# Altium PCB StepTMC5160.PcbDoc (part 3 of 3)
Units mm, origin at the board's own origin, x right, y up, seen from the top; angles counter-clockwise.
Board outline 116.59 x 111.76 mm, 4 copper layers (Component Side, GND, VCC, Bottom Layer), stack 0.778 mm thick; 199 components, 142 nets, 717 pads, 598 vias.
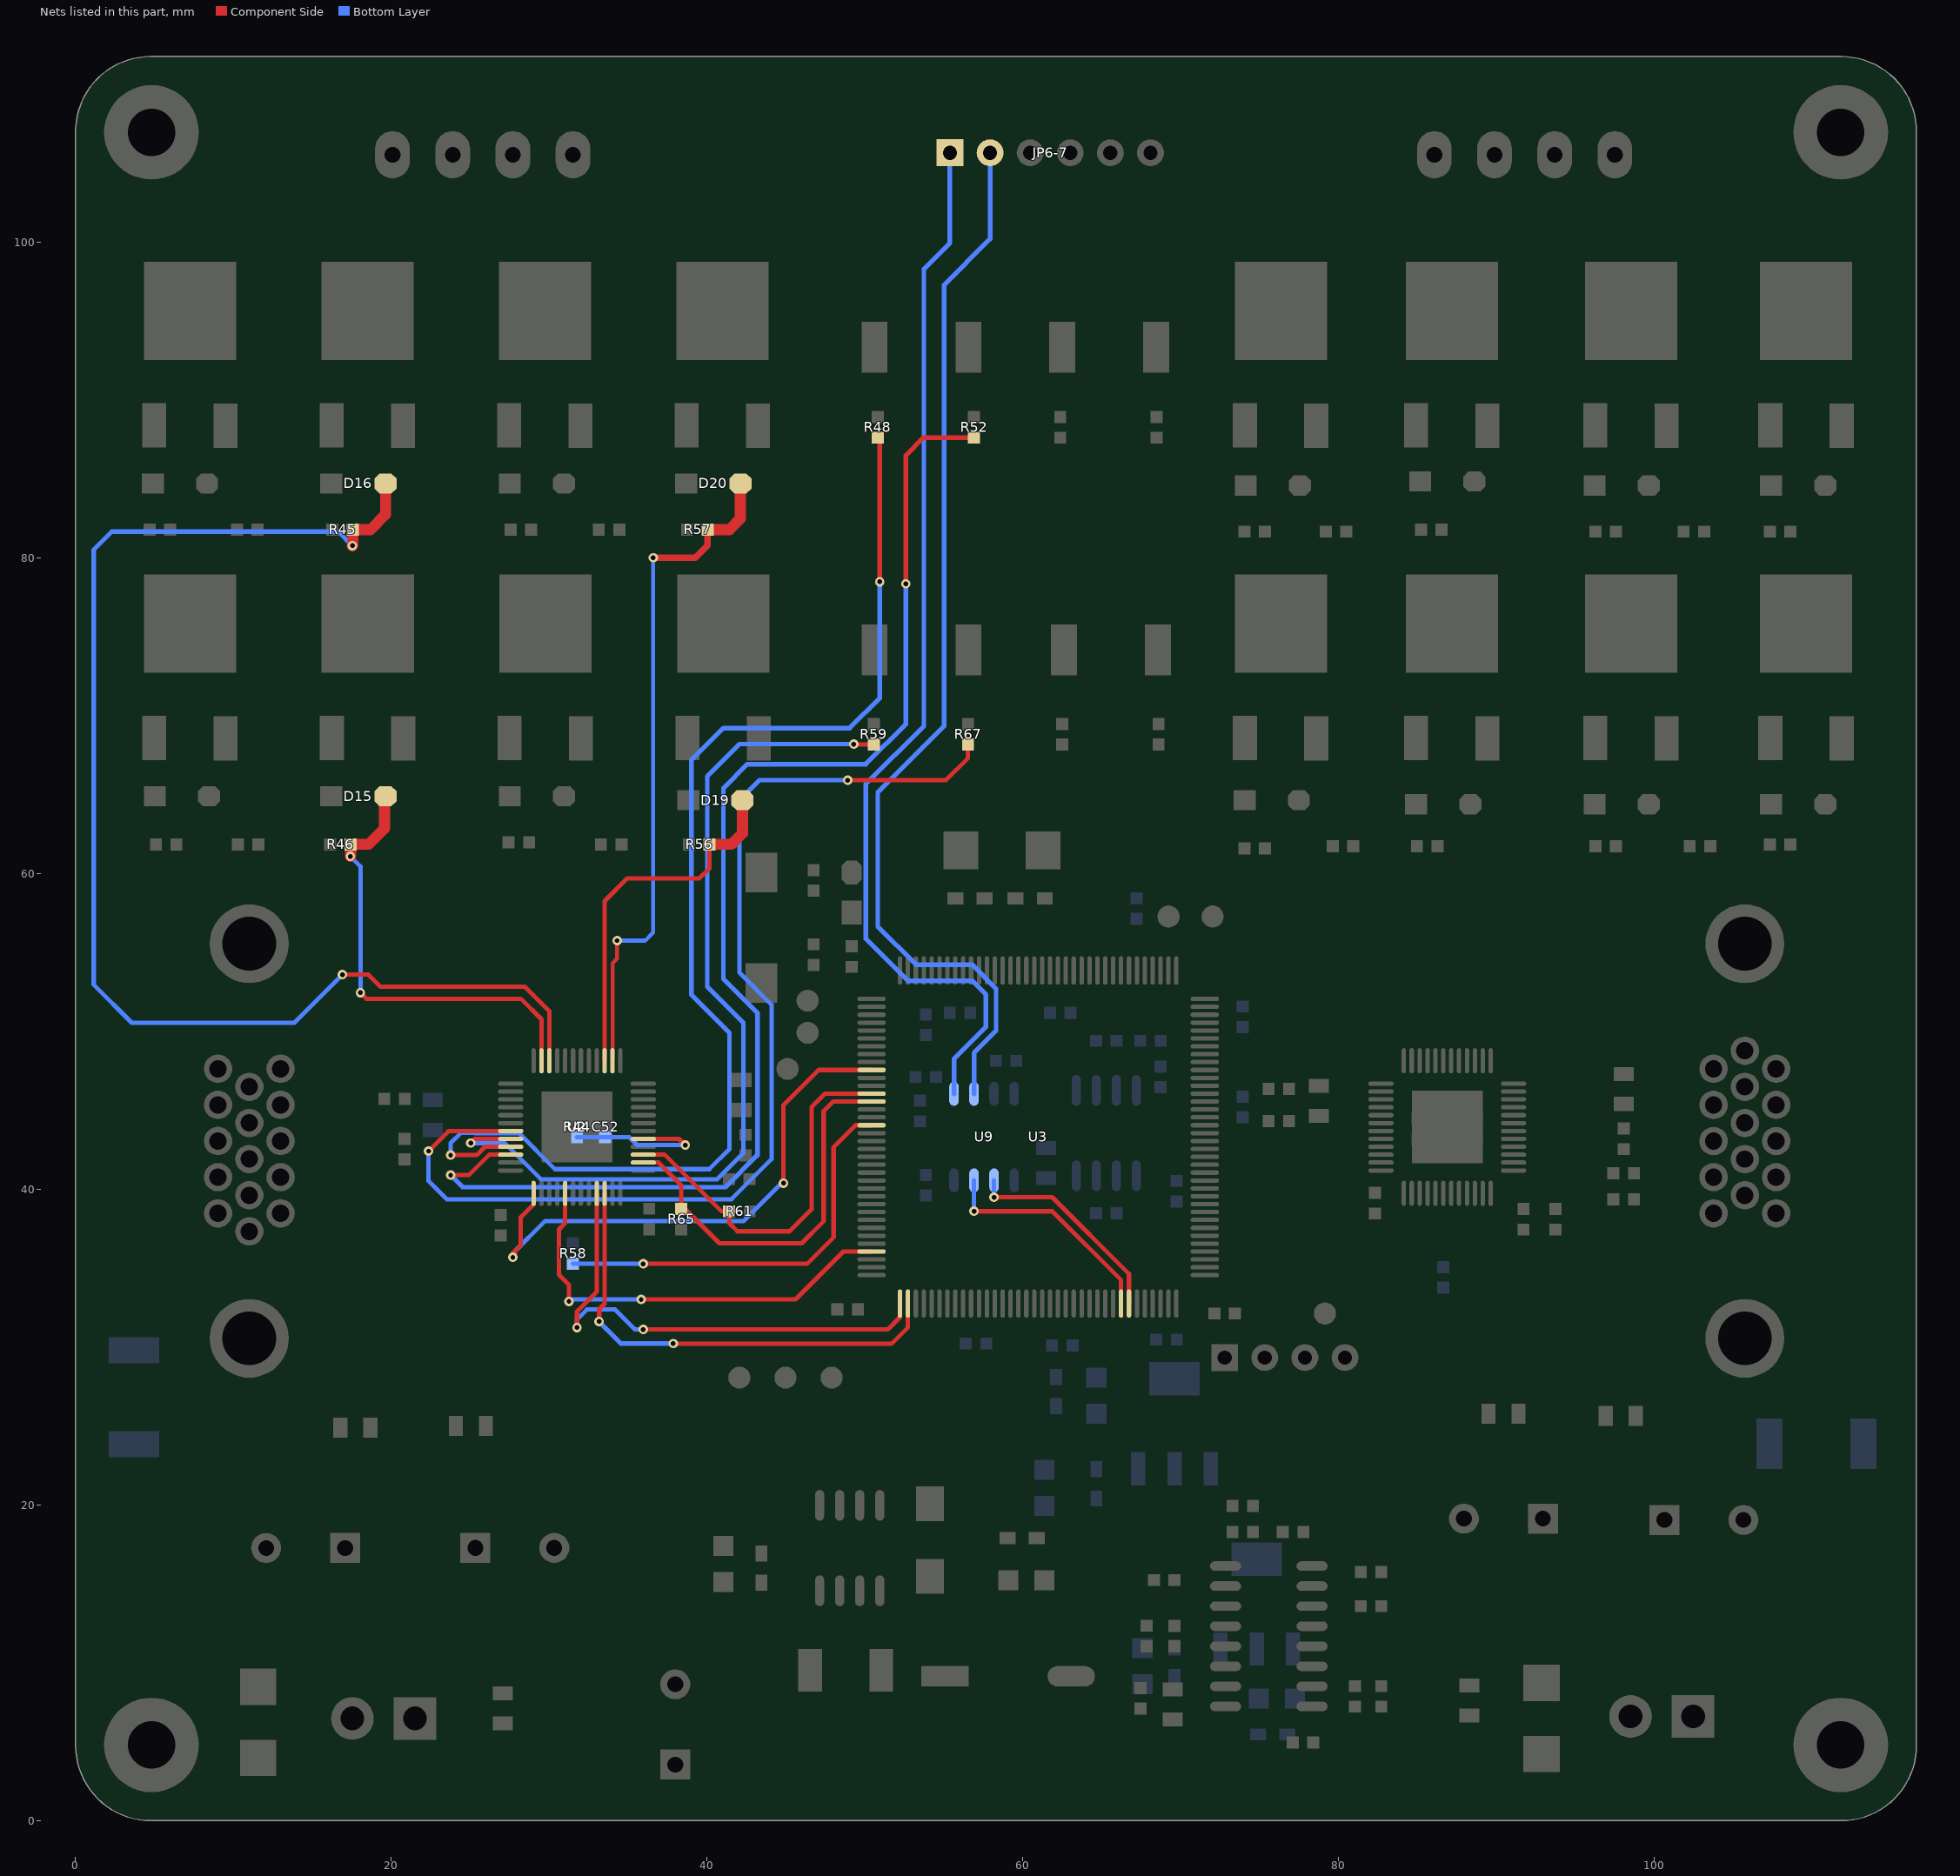
[diagram p5: the nets of this part, all layers, seen from the top]

## Via types
v1: diameter 0.6, hole 0.3, Component Side to Bottom Layer, 288 vias
v2: diameter 0.8, hole 0.4, Component Side to Bottom Layer, 278 vias
v3: diameter 0.5, hole 0.5, Component Side to Bottom Layer, tented both sides, 32 vias

## Nets (pads, with @x,y where several pads share a name; then routed paths per layer and width w, separated by ;. In a path a pad name is that pad's centre, name@x,y a point inside that pad or via, vN(x,y) a via of type N, cw(c..) or ccw(c..) an arc to the next point about the centre after c; other vN are vias at no path point) (continued)
U2_LA1: D19.2 R56.1 U2.39 | length 23.6
  Component Side w0.279: U2.39@33.5,48.141 33.5,58.265 34.925,59.69 39.497,59.69 40.147,60.34 R56.1@40.147,61.849
  Component Side w0.7: R56.1@40.147,61.849 41.529,61.849 42.227,62.547 D19.2@42.227,64.643
U2_LA2: D20.2 R57.1 U2.38 | length 43.3
  Component Side w0.257: U2.38@34,48.141 34,54.32 34.29,54.61 v1(34.29,55.753)
  Component Side w0.4: v1(36.576,80.01) 39.243,80.01 40.02,80.787 R57.1@40.02,81.788
  Component Side w0.7: R57.1@40.02,81.788 41.402,81.788 42.1,82.486 D20.2@42.1,84.709
  Bottom Layer w0.257: v1(34.29,55.753) 36.068,55.753 36.576,56.261 v1(36.576,80.01)
U2_LB1: D15.2 R46.1 U2.47 | length 29.2
  Component Side w0.279: v1@17.907,52.451 v1(18.034,52.451) 18.415,52.07 28.194,52.07 29.5,50.764 U2.47@29.5,48.141
  Component Side w0.7: v1(17.399,61.087) 17.414,61.102 R46.1@17.414,61.849 18.542,61.849 19.558,62.865 19.558,64.834 D15.2@19.621,64.897
  Bottom Layer w0.279: v1(17.399,61.087) 18.034,60.452 v1(18.034,52.451)
U2_LB2: D16.2 R45.1 U2.46 | length 85.5
  Component Side w0.279: v1(16.891,53.594) 18.542,53.594 19.304,52.832 28.448,52.832 30,51.28 U2.46@30,48.141
  Component Side w0.7: v1(17.526,80.772) 17.556,80.802 R45.1@17.556,81.788 18.669,81.788 19.621,82.74 D16.2@19.621,84.709
  Bottom Layer w0.279: v1(16.891,53.594) 13.843,50.546 3.556,50.546 1.143,52.959 1.143,80.518 2.286,81.661 16.637,81.661 v1(17.526,80.772)
U2_REFL_DIR: R58.2 U3.53 | length 25.9
  Component Side w0.279: v1(35.941,35.276) 46.325,35.276 48.006,36.957 48.006,42.672 49.391,44.057 U3.53@50.41,44.057
  Bottom Layer w0.279: R58.2@31.496,35.276 v1(35.941,35.276)
U2_REFL_STEP: U2.17 U3.69 | length 27.8
  Component Side w0.279: U2.17@31.001,39.741 31.001,37.859 30.607,37.465 30.607,34.586 31.242,33.951 v1(31.242,32.893) ; v1(35.814,33.02) 45.593,33.02 48.63,36.057 U3.69@50.41,36.057
  Bottom Layer w0.279: v1(31.242,32.893) 31.369,33.02 v1(35.814,33.02)
U2_SD_MODE: U2.21 U3.73 | length 32
  Component Side w0.279: v1(31.75,31.242) 31.75,32.258 33,33.508 U2.21@33,39.741 ; v1(35.941,31.115) 51.435,31.115 52.21,31.89 U3.73@52.21,32.757
  Bottom Layer w0.279: v1(31.75,31.242) 31.75,31.75 32.385,32.385 34.163,32.385 35.433,31.115 v1(35.941,31.115)
U2_SPI1_SCN: U2.13 U3.46 | length 35.5
  Component Side w0.279: v1(27.686,35.687) v1@27.686,35.814 ; v1@27.813,35.941 v1@27.686,35.814 ; U2.13@28.999,39.741 28.999,39.032 28.194,38.227 28.194,36.449 27.686,35.941 v1@27.686,35.814 ; v1(44.831,40.386) 44.831,45.339 47.049,47.557 U3.46@50.41,47.557
  Bottom Layer w0.279: v1(27.686,35.687) 27.686,35.941 29.718,37.973 42.291,37.973 44.704,40.386 v1(44.831,40.386)
U2_SPI_MODE: U2.22 U3.74 | length 30.3
  Component Side w0.279: v1(37.846,30.226) 51.689,30.226 52.71,31.247 U3.74@52.71,32.757
  Component Side w0.3: v1(33.147,31.623) 33.147,32.385 33.5,32.738 U2.22@33.5,39.741
  Bottom Layer w0.3: v1(33.147,31.623) 34.544,30.226 v1(37.846,30.226)
U2_SRAH: R59.1 U2.8 | length 57.8
  Component Side w0.279: v1(25.019,42.926) 25.283,43.19 U2.8@27.551,43.19 ; v1(49.276,68.199) 49.306,68.169 R59.1@50.546,68.169
  Bottom Layer w0.279: v1(25.019,42.926) 27.178,42.926 29.464,40.64 40.64,40.64 42.291,42.291 42.291,50.546 40.005,52.832 40.005,66.167 42.037,68.199 v1(49.276,68.199)
U2_SRAL: R67.1 U2.7 | length 70.9
  Component Side w0.279: v1(22.352,42.418) 23.625,43.691 U2.7@27.551,43.691 ; v1(48.895,65.913) 55.118,65.913 56.515,67.31 R67.1@56.515,68.169
  Bottom Layer w0.279: v1(22.352,42.418) 22.352,40.513 23.495,39.37 41.529,39.37 44.069,41.91 44.069,51.689 42.037,53.721 42.037,64.643 43.307,65.913 v1(48.895,65.913)
U2_SRBH: R48.1 U2.9 | length 79.9
  Component Side w0.279: v1(23.749,42.164) 25.4,42.164 25.926,42.69 U2.9@27.551,42.69
  Component Side w0.3: R48.1@50.8,87.615 50.927,87.488 v1(50.927,78.486)
  Bottom Layer w0.279: v1(23.749,42.164) 23.749,42.926 24.389,43.566 25.284,43.566 25.288,43.561 28.067,43.561 30.353,41.275 40.132,41.275 41.402,42.545 41.402,49.911 39.258,52.055
  Bottom Layer w0.3: 39.258,52.055 38.989,52.324 38.989,67.183 41.021,69.215 49.022,69.215 50.927,71.12 v1(50.927,78.486)
U2_SRBL: R52.1 U2.10 | length 84.1
  Component Side w0.279: v1(23.749,40.894) 24.892,40.894 26.19,42.192 U2.10@27.551,42.192
  Component Side w0.3: v1(52.578,78.359) 52.578,86.487 53.706,87.615 R52.1@56.896,87.615
  Bottom Layer w0.3: v1(23.749,40.894) 24.511,40.132 41.148,40.132 43.18,42.164 43.18,51.181 41.021,53.34 41.021,65.405 42.545,66.929 50.038,66.929 52.578,69.469 v1(52.578,78.359)
U2_SWN_DIAG0: R65.1 U2.26 U3.50 | length 25.3
  Component Side w0.279: U2.26@35.949,41.692 36.921,41.692 38.354,40.259 R65.1@38.354,38.75 38.593,38.75 40.767,36.576 45.974,36.576 47.371,37.973 47.371,44.958 47.97,45.557 U3.50@50.41,45.557
U2_SWP_DIAG1: R61.1 U2.27 U3.49 | length 24.3
  Component Side w0.279: U2.27@35.949,42.192 37.31,42.192 40.894,38.608 R61.1@41.387,38.608 41.402,38.593 41.402,37.846 41.91,37.338 45.212,37.338 46.609,38.735 46.609,45.212 47.454,46.057 U3.49@50.41,46.057
U2_VCC: C52.2 R44.2 U2.29 | length 9.9
  Component Side w0.279: U2.29@35.949,43.19 38.217,43.19 v1(38.608,42.799)
  Bottom Layer w0.279: R44.2@31.75,43.292 C52.2@33.528,43.292 35.067,43.292 35.56,42.799 v1(38.608,42.799)
UART1_RX: U3.102 U9.2 | length 13.5
  Component Side w0.279: v1(58.166,39.497) 61.849,39.497 66.71,34.636 U3.102@66.71,32.757
  Bottom Layer w0.279: v1(58.166,39.497) U9.2@58.166,40.566
UART1_TX: U3.101 U9.3 | length 14.6
  Component Side w0.279: v1(56.896,38.608) 56.901,38.603 61.854,38.603 66.21,34.247 U3.101@66.21,32.757
  Bottom Layer w0.279: v1(56.896,38.608) U9.3@56.896,40.566
Y: JP6-7.1 U9.5 | length 68.2
  Bottom Layer w0.3: JP6-7.1@55.372,105.664 55.372,99.949 53.721,98.298 53.721,69.342 50.038,65.659 50.038,55.88 52.705,53.213 56.769,53.213 57.658,52.324 57.658,50.292 55.626,48.26 U9.5@55.626,46.048
Z: JP6-7.2 U9.6 | length 68.3
  Bottom Layer w0.3: U9.6@56.896,46.048 56.896,48.641 58.293,50.038 58.293,52.705 56.769,54.229 53.213,54.229 50.8,56.642 50.8,65.151 54.991,69.342 54.991,97.282 57.912,100.203 JP6-7.2@57.912,105.664
pads on no net: PA5.1 PA6.1 PA7.1 PAD1. PAD2. PAD3. PAD4. U3.1 U3.2 U3.3 U3.7 U3.8 U3.9 U3.10 U3.11 U3.12 U3.13 U3.14 U3.15 U3.18 U3.19 U3.20 U3.21 U3.22 U3.26 U3.27 U3.28 U3.29 U3.34 U3.36 U3.37 U3.40 U3.41 U3.42 U3.43 U3.44 U3.45 U3.54 U3.55 U3.56 U3.57 U3.58 U3.59 U3.60 U3.63 U3.64 U3.65 U3.66 U3.67 U3.68 U3.70 U3.75 U3.76 U3.77 U3.78 U3.79 U3.80 U3.81 U3.82 U3.85 U3.86 U3.87 U3.88 U3.89 U3.90 U3.91 U3.92 U3.93 U3.97 U3.98 U3.99 U3.100 U3.114 U3.115 U3.122 U3.123 U3.124 U3.125 U3.129 U3.132 U3.133 U3.134 U3.135 U3.137 U3.139 U3.140 U3.141 U3.142 U4.4 U4.5 U4.6 U4.7 U4.8 U4.9 U4.10 U4.14 U4.15 U7.5 U8.4 U8.5 U8.6 U8.7 U8.8 U8.9 U8.10 U8.14 U8.15
copper on no net: | length 62.2
  Component Side w0.279: 45.466,47.879 45.847,48.26 46.99,48.26 47.787,49.057 50.41,49.057 ; 46.355,51.943 46.863,51.435 47.244,51.054 47.625,50.673 48.241,50.057 50.41,50.057 ; 46.482,50.038 46.963,49.557 50.41,49.557 ; 48.408,48.057 50.41,48.057 ; 48.43,48.557 50.41,48.557 ; 48.768,52.578 49.289,52.057 50.41,52.057 ; 48.779,50.557 50.41,50.557 ; 48.895,35.557 50.41,35.557 ; 48.895,36.557 50.41,36.557 ; 48.895,37.057 50.41,37.057 ; 48.895,37.557 50.41,37.557 ; 48.895,38.057 50.41,38.057 ; 48.895,39.057 50.41,39.057 ; 48.907,42.557 50.41,42.557 ; 48.916,38.557 50.41,38.557 ; 48.916,41.057 50.41,41.057 ; 48.916,42.057 50.41,42.057 ; 48.923,41.557 50.41,41.557 ; 49.12,40.557 50.41,40.557 ; 49.28,43.057 50.41,43.057 ; 53.21,31.242 53.21,32.757 ; 53.71,31.242 53.71,32.757 ; 54.21,31.242 54.21,32.757 ; 54.71,31.242 54.71,32.757 ; 55.21,31.242 55.21,32.757 ; 55.71,31.623 55.71,32.757 ; 58.21,31.496 58.21,32.757 ; 58.71,31.242 58.71,32.757 ; 59.21,31.242 59.21,32.757 ; 59.71,31.242 59.71,32.757 ; 60.21,31.242 60.21,32.757 ; 60.71,31.242 60.71,32.757 ; 61.21,31.242 61.21,32.757 ; 64.71,31.623 64.71,32.757 ; 65.21,31.623 65.21,32.757
  other v3: 4.8,2.5 111.786,2.5 3.2,3.2 6.5,3.2 110.186,3.2 113.486,3.2 2.6,4.8 7.1,4.8 109.586,4.8 114.086,4.8 6.6,6.4 113.586,6.4 3.1,6.5 110.086,6.5 4.8,7.1 111.786,7.1 4.8,104.66 111.786,104.66 3.2,105.36 6.5,105.36 110.186,105.36 113.486,105.36 2.6,106.96 7.1,106.96 109.586,106.96 114.086,106.96 6.6,108.56 113.586,108.56 3.1,108.66 110.086,108.66 4.8,109.26 111.786,109.26

## Polygon pours and split planes (outlines as drawn)
DGND on Bottom Layer "Component Side-No Net 1" (solid, remove dead copper, pour order 124): 33.763,54.419 35.83,56.486 70.882,56.486 73.168,54.2 73.168,32.356 70.374,29.562 35.449,29.562 33.763,31.249
DGND on Bottom Layer "Bottom Layer-DGND" (solid, pour order 116): 61.531,26.67 63.944,26.67 64.198,26.416 67.437,26.416 67.437,24.765 61.531,24.765
DGND on Bottom Layer "Bottom Layer-DGND 1" (solid, pour order 114): 69.215,20.066 69.723,20.574 70.866,20.574 71.374,21.082 71.374,23.368 72.39,23.368 72.39,19.304 72.136,19.05 69.215,19.05
DGND on Bottom Layer "Bottom Layer-DGND 2" (solid, pour order 112): 110.236,25.4 111.252,26.416 115.316,26.416 115.824,25.908 115.824,19.685 115.189,19.05 110.744,19.05 110.236,19.558
GND on Bottom Layer "Bottom Layer-GND 2" (solid, pour order 108): 104.521,26.797 107.315,26.797 108.966,25.146 108.966,16.764 107.696,15.494 104.394,15.494 103.632,16.256 103.632,25.612
GND on Bottom Layer "Bottom Layer-GND 3" (solid, pour order 106): 1.27,25.781 11.938,25.781 13.335,24.384 13.335,16.637 11.938,15.24 1.27,15.24
DGND on Bottom Layer "Bottom Layer-DGND 3" (solid, pour order 104): 1.016,30.861 1.016,32.004 3.048,34.036 13.462,34.036 14.478,33.02 14.478,28.829 13.208,27.559 1.143,27.559
3.3V on Bottom Layer "Bottom Layer-3.3V" (solid, pour order 102): 62.801,28.575 61.531,28.575 60.134,29.972 59.055,29.972 58.547,29.464 58.547,27.432 58.801,27.178 62.801,27.178
+5V on Bottom Layer "Bottom Layer-+5V" (solid, pour order 44): 65.786,21.209 65.278,21.717 60.96,21.717 60.198,20.955 60.198,19.558 59.309,18.669 58.039,18.669 58.039,21.844 59.055,22.86 66.421,22.86 66.929,23.368 67.818,23.368 67.818,21.209
3.3V_2 on Bottom Layer "Bottom Layer-3.3V_2" (solid, pour order 42): 75.438,6.096 72.898,6.096 72.39,5.588 72.39,3.937 72.898,3.429 75.438,3.429
+5V on Bottom Layer "Bottom Layer-+5V 1" (solid, pour order 38): 73.025,11.938 68.961,11.938 67.056,13.843 65.532,13.843 64.77,13.081 64.77,11.684 66.167,10.287 70.485,10.287 70.739,10.287 71.247,9.779 73.025,9.779
GND on Bottom Layer "Bottom Layer-GND" (solid, pour order 32): 65.278,9.779 63.881,11.176 59.055,11.176 57.404,12.827 55.499,10.922 55.499,2.159 56.769,0.889 64.262,0.889 65.278,1.905
GND on Bottom Layer "Bottom Layer-GND 1" (solid, pour order 16): 36.275,0.889 57.658,0.889 57.658,17.653 54.61,20.701 36.195,20.701 33.909,18.415 33.909,3.255
DGND on Component Side "Component Side-No Net 1" (solid, remove dead copper, pour order 122): 33.763,54.419 35.83,56.486 70.882,56.486 73.168,54.2 73.168,32.356 70.374,29.562 35.449,29.562 33.763,31.249
U2_BMB2 on Component Side "Component Side-U2_BMB2" (solid, pour order 52): 9.398,82.804 9.398,80.645 10.668,80.645 10.668,82.423 13.081,84.836 13.081,89.154 16.383,92.456 21.463,92.456 21.59,92.583 21.59,98.806 15.367,98.806 13.716,97.155 13.716,93.853 9.906,90.043 8.509,90.043 8.509,86.868 10.287,86.868 11.303,85.852 11.303,84.709
GND on Component Side "Component Side-GND 3" (solid, pour order 120): 58.039,86.36 58.039,87.884 57.404,88.519 56.261,88.519 55.372,89.408 55.372,95.885 56.261,96.774 62.611,96.774 63.627,95.758 63.627,89.154 63.119,88.646 61.722,88.646 61.087,88.011 61.087,86.487 64.262,83.312 64.262,69.85 63.5,69.088 55.88,69.088 54.991,69.977 54.991,83.312
DGND on Component Side "Component Side-DGND" (solid, pour order 118): 65.288,26.416 70.358,26.416 72.39,24.384 72.39,19.431 72.009,19.05 69.342,19.05 69.342,19.939 70.612,21.209 70.612,24.003 69.85,24.765 66.685,24.765
DGND on Component Side "Component Side-DGND 1" (solid, pour order 110): 110.236,25.4 111.252,26.416 115.316,26.416 115.824,25.908 115.824,19.685 115.189,19.05 110.744,19.05 110.236,19.558
3.3V on Component Side "Component Side-3.3V" (solid, pour order 100): 62.801,28.575 61.531,28.575 60.134,29.972 59.055,29.972 58.547,29.464 58.547,27.432 58.801,27.178 62.801,27.178
NetQ3_3 on Component Side "Component Side-NetQ3_3" (solid, pour order 96): 65.786,76.454 70.612,76.454 71.247,75.819 71.247,70.739 69.596,69.088 65.786,69.088
no net on Component Side "Component Side-No Net" (solid, pour order 94): 55.626,56.642 61.849,56.642 63.881,58.674 63.881,63.881 63.246,64.516 54.102,64.516 53.467,63.881 53.467,58.801
NetQ3_3 on Component Side "Component Side-NetQ3_3 1" (solid, pour order 92): 88.265,90.297 89.027,91.059 92.583,91.059 94.107,89.535 94.107,69.088 92.075,67.056 88.646,67.056 87.884,67.818 87.884,70.866 88.392,71.374 91.059,71.374 91.694,72.009 91.694,86.106 91.059,86.741 88.9,86.741 88.265,87.376
NetQ7_3 on Component Side "Component Side-NetQ7_3" (solid, pour order 90): 116.586,90.932 110.998,90.932 109.982,89.916 109.982,87.376 110.871,86.487 112.776,86.487 114.173,85.09 114.173,71.882 113.157,70.866 110.363,70.866 109.474,69.977 109.474,67.437 110.49,66.421 116.586,66.421
NetQ7_3 on Component Side "Component Side-NetQ7_3 1" (solid, pour order 86): 65.151,95.526 70.336,95.526 71.247,94.615 71.247,89.535 70.231,88.519 65.151,88.519
NetQ11_3 on Component Side "Component Side-NetQ11_3" (solid, pour order 84): 46.228,95.25 51.435,95.25 51.435,88.519 50.292,88.519 49.657,88.519 49.657,89.535 47.879,91.313 46.228,91.313
NetQ15_3 on Component Side "Component Side-NetQ15_3" (solid, pour order 78): 47.371,78.486 49.149,76.708 51.435,76.708 51.435,69.088 45.085,69.088
NetQ15_3 on Component Side "Component Side-NetQ15_3 1" (solid, pour order 74): 41.66,70.612 44.073,70.612 45.343,71.882 45.343,85.344 44.2,86.487 41.787,86.487 41.787,90.424 46.355,90.424 48.387,88.392 48.387,70.1 44.962,66.675 41.66,66.675
NetQ11_3 on Component Side "Component Side-NetQ11_3 1" (solid, pour order 72): 19.177,70.612 21.59,70.612 22.86,71.882 22.86,85.344 21.717,86.487 19.304,86.487 19.304,90.424 25.019,90.424 25.654,89.789 25.654,69.85 22.479,66.675 19.177,66.675
U1_BMB1 on Component Side "Component Side-U1_BMB1" (solid, pour order 70): 78.994,62.738 78.994,61.341 80.137,61.341 80.137,62.23 82.169,64.262 82.169,69.342 85.471,72.644 90.551,72.644 90.678,72.771 90.678,78.994 84.455,78.994 82.804,77.343 82.804,74.041 78.994,70.231 77.597,70.231 77.597,67.056 79.375,67.056 80.391,66.04 80.391,64.135
U1_BMA1 on Component Side "Component Side-U1_BMA1" (solid, pour order 68): 101.727,63.754 101.727,61.341 102.87,61.341 102.87,62.78 104.648,64.558 104.648,69.638 107.654,72.644 112.734,72.644 112.734,78.994 106.638,78.994 104.987,77.343 104.987,74.041 101.177,70.231 99.78,70.231 99.78,67.056 101.558,67.056 102.574,66.04 102.574,64.601
U1_BMA2 on Component Side "Component Side-U1_BMA2" (solid, pour order 66): 100.584,82.296 100.584,81.026 102.108,81.026 102.108,82.423 104.352,84.667 104.352,89.154 107.654,92.456 112.734,92.456 112.861,92.583 112.861,98.806 106.638,98.806 104.987,97.155 104.987,93.853 101.177,90.043 99.78,90.043 99.78,86.868 101.558,86.868 102.574,85.852 102.574,84.286
U1_BMB2 on Component Side "Component Side-U1_BMB2" (solid, pour order 64): 78.486,82.677 78.486,81.153 79.629,81.153 79.629,82.296 82.169,84.836 82.169,89.154 85.471,92.456 90.551,92.456 90.678,92.583 90.678,98.806 84.455,98.806 82.804,97.155 82.804,93.853 78.994,90.043 77.597,90.043 77.597,86.868 79.375,86.868 80.391,85.852 80.391,84.582
U2_BMA1 on Component Side "Component Side-U2_BMA1" (solid, pour order 60): 32.297,63.246 32.297,61.341 33.567,61.341 33.567,62.988 35.602,65.024 35.602,69.342 38.904,72.644 43.984,72.644 44.111,72.771 44.111,78.994 37.888,78.994 36.237,77.343 36.237,74.172 32.297,70.231 31.03,70.231 31.03,67.056 32.808,67.056 33.824,66.04 33.824,64.774
U2_BMB1 on Component Side "Component Side-U2_BMB1" (solid, pour order 56): 9.525,63.119 9.525,60.706 10.668,60.706 10.668,62.611 13.081,65.024 13.081,69.342 16.383,72.644 21.463,72.644 21.59,72.771 21.59,78.994 15.367,78.994 13.716,77.343 13.716,74.295 9.652,70.231 8.509,70.231 8.509,67.056 10.287,67.056 11.303,66.04 11.303,64.897
U2_BMA2 on Component Side "Component Side-U2_BMA2" (solid, pour order 54): 32.258,83.058 32.258,81.153 33.528,81.153 33.528,82.8 35.564,84.836 35.564,89.154 38.866,92.456 43.946,92.456 44.073,92.583 44.073,98.806 37.85,98.806 36.199,97.155 36.199,93.984 32.258,90.043 30.992,90.043 30.992,86.868 32.77,86.868 33.786,85.852 33.786,84.586
U2_BMB2 on Component Side "Component Side-U2_BMB2 1" (solid, pour order 48): 8.763,89.789 11.049,89.789 13.716,92.456 13.716,97.155 15.367,98.806 21.59,98.806 21.59,92.583 21.463,92.456 16.383,92.456 12.7,88.773 12.7,86.868 8.763,86.868
+5V on Component Side "Component Side-+5V" (solid, pour order 40): 58.039,18.923 58.039,20.574 58.674,21.209 60.071,21.209 60.452,20.828 60.452,19.685 59.69,18.923
GND on Component Side "Component Side-GND" (solid, pour order 34): 61.722,18.796 60.325,18.796 60.325,16.129 60.579,15.875 60.579,14.478 61.087,13.97 61.087,8.128 61.722,7.493 64.516,7.493 64.897,7.874 64.897,8.89 62.484,11.303 62.484,18.034
24V on Component Side "Component Side-24V" (solid, pour order 30): 87.249,7.112 89.789,7.112 90.297,6.604 90.297,2.413 88.9,1.016 42.672,1.016 41.148,2.54 41.148,4.445 39.243,6.35 36.703,6.35 36.703,8.89 36.449,9.144 36.703,9.398 40.005,9.398 46.101,3.302 85.217,3.302 86.868,4.953 86.868,6.731
+U1_24V on Component Side "Component Side-+U2_24V" (solid, pour order 28): 91.313,7.239 94.488,7.239 96.966,4.761 98.614,4.761 99.822,5.969 99.822,10.16 102.997,13.335 102.997,19.685 101.219,21.463 98.933,21.463 97.663,22.733 97.663,26.924 97.155,27.432 97.028,27.305 91.059,27.305 90.678,26.924 90.678,12.7 89.408,11.43 87.376,11.43 86.741,10.795 86.741,8.382 87.122,8.001 90.551,8.001
GND on Component Side "Component Side-GND 1" (solid, pour order 26): 50.546,15.494 50.673,15.621 51.562,15.621 51.816,15.367 51.816,14.478 53.213,13.081 53.213,12.192 52.959,11.938 50.8,11.938 50.546,12.192
NetD11_2 on Component Side "Component Side-NetD11_2" (solid, pour order 20): 48.006,15.113 48.006,16.891 48.514,17.399 55.626,17.399 56.261,16.764 56.261,14.224 55.88,13.843 53.086,13.843 52.578,14.351 52.578,15.748 52.07,16.256 49.022,16.256 48.768,16.002 48.768,15.367 48.387,14.986
GND on Component Side "Component Side-GND 2" (solid, pour order 18): 37.846,16.764 42.418,16.764 42.926,16.256 44.958,16.256 46.863,18.161 55.753,18.161 56.261,18.669 56.261,20.447 55.372,21.336 39.116,21.336 37.846,20.066
+5V on Component Side "Component Side-+5V 1" (solid, pour order 14): 50.546,11.557 56.261,11.557 58.039,13.335 58.039,19.431 58.42,19.812 59.436,19.812 59.817,19.431 59.817,9.779 57.785,7.747 50.419,7.747
+5V on Component Side "Component Side-+5V 2" (solid, pour order 12): 49.276,15.494 49.403,15.621 49.911,15.621 50.038,15.494 50.038,12.065 50.546,11.557 51.689,11.557 52.197,11.049 52.197,8.128 51.816,7.747 49.53,7.747 49.276,8.001
NetD11_2 on Component Side "Component Side-NetD11_2 1" (solid, pour order 10): 48.133,15.621 48.641,15.621 48.768,15.494 48.768,11.938 48.133,11.303 48.133,8.001 47.879,7.747 45.593,7.747 45.212,8.128 45.212,11.43 46.228,12.446 47.117,12.446 48.006,13.335 48.006,15.494
24V on Component Side "Component Side-24V 1" (solid, pour order 8): 42.291,15.748 42.418,15.621 47.117,15.621 47.371,15.367 47.371,13.589 46.863,13.081 41.783,13.081 40.132,11.43 40.132,8.636 36.068,8.636 36.957,9.525 36.957,12.319 40.386,15.748
24V on Component Side "Component Side-24V 2" (solid, pour order 6): 26.035,6.604 31.242,6.604 37.338,12.7 39.37,10.668 39.37,7.112 38.608,6.35 34.798,6.35 32.639,4.191 26.035,4.191
+U2_24V on Component Side "Component Side-+U1_24V" (solid, pour order 4): 27.559,14.986 28.067,14.605 28.067,7.62 25.4,7.62 24.257,8.763 24.257,14.605
+U2_24V on Component Side "Component Side-+U1_24V 1" (solid, pour order 2): 19.05,10.287 19.05,5.334 18.161,4.445 15.621,4.445 12.954,7.112 10.033,7.112 9.271,7.874 9.271,12.7 10.795,14.224 13.716,14.224 14.097,14.605 15.494,16.002 15.494,19.699 18.098,21.526 18.288,26.162 18.796,26.67 24.003,26.67 24.511,26.162 24.511,21.754 28.067,18.747 28.067,14.351 26.289,12.573 21.336,12.573
DGND on GND (split plane): 173 vertices, not listed, extent 0.51,0.51 116.076,111.25
GND on GND (split plane): 65.538,32.512 65.547,32.414 65.576,32.32 65.622,32.233 65.685,32.157 70.892,26.95 70.968,26.887 71.055,26.841 71.149,26.812 71.247,26.803 107.234,26.803 108.845,25.192 108.845,14.813 103.531,9.499 103.468,9.423 103.422,9.336 103.393,9.242 103.384,9.144 103.384,5.709 87.457,5.709 85.211,7.955 85.211,15.875 85.202,15.973 85.173,16.067 85.127,16.154 85.064,16.23 80.238,21.056 80.162,21.119 80.075,21.165 79.981,21.194 79.883,21.203 69.596,21.203 69.498,21.194 69.404,21.165 69.317,21.119 69.241,21.056 64.288,16.103 64.225,16.027 64.179,15.94 64.15,15.846 64.141,15.748 64.141,0.51 9.519,0.51 9.519,5.588 9.519,5.59 9.51,5.843 9.483,6.096 9.438,6.347 9.375,6.593 9.294,6.835 9.197,7.07 9.083,7.298 8.953,7.517 8.808,7.726 8.648,7.925 8.476,8.11 8.474,8.111 8.238,8.347 8.237,8.349 8.052,8.521 7.853,8.681 7.644,8.826 7.425,8.956 7.197,9.07 6.962,9.167 6.72,9.248 6.474,9.311 6.223,9.356 5.97,9.383 5.717,9.392 5.715,9.392 0.51,9.392 0.51,26.295 14.986,26.295 15.084,26.304 15.178,26.333 15.265,26.379 15.341,26.442 16.337,27.438 32.558,27.438 35.185,24.811 35.185,15.875 35.194,15.777 35.223,15.683 35.269,15.596 35.332,15.52 36.475,14.377 36.551,14.314 36.638,14.268 36.732,14.239 36.83,14.23 50.419,14.23 50.517,14.239 50.611,14.268 50.698,14.314 50.774,14.377 53.441,17.044 53.504,17.12 53.55,17.207 53.579,17.301 53.588,17.399 53.588,95.383 65.538,95.383
no net on GND (split plane): 109.136,107.124 109.083,107.071 109.078,107.17 109.079,107.182
+U2_24V on VCC (split plane): 50.679,97.201 50.679,96.514 41.783,96.514 41.685,96.505 41.591,96.476 41.504,96.43 41.428,96.367 36.495,91.434 19.304,91.434 19.206,91.425 19.112,91.396 19.025,91.35 18.949,91.287 18.886,91.211 18.84,91.124 18.811,91.03 18.802,90.932 18.802,88.9 18.802,86.741 18.802,66.802 18.811,66.704 18.84,66.61 18.886,66.523 18.949,66.447 19.076,66.32 19.152,66.257 19.239,66.211 19.333,66.182 19.431,66.173 24.638,66.173 24.736,66.182 24.83,66.211 24.917,66.257 24.993,66.32 26.771,68.098 26.834,68.174 26.88,68.261 26.909,68.355 26.918,68.453 26.918,82.977 28.91,84.969 39.503,84.969 39.503,82.296 39.512,82.198 39.541,82.104 39.587,82.017 39.65,81.941 40.519,81.072 40.519,60.446 29.718,60.446 29.62,60.437 29.526,60.408 29.439,60.362 29.363,60.299 25.299,56.235 25.236,56.159 25.19,56.072 25.161,55.978 25.152,55.88 25.152,23.489 0.51,23.489 0.51,99.701 48.179,99.701
+U2_24V on VCC (split plane): 56.541,21.691 56.478,21.615 56.432,21.528 56.403,21.434 56.394,21.336 56.394,0.51 4.761,0.51 4.745,0.509 4.483,0.517 4.206,0.545 3.932,0.59 3.661,0.653 3.394,0.734 3.134,0.832 2.88,0.947 2.635,1.078 2.399,1.225 2.172,1.387 1.957,1.564 1.754,1.754 1.564,1.957 1.387,2.172 1.225,2.399 1.078,2.635 0.947,2.88 0.832,3.134 0.734,3.394 0.653,3.661 0.59,3.932 0.545,4.206 0.517,4.483 0.509,4.745 0.51,4.761 0.51,22.485 57.334,22.485
3.3V on VCC (split plane): 97.034,54.656 97.034,37.8 89.454,30.22 86.741,30.22 86.643,30.211 86.549,30.182 86.462,30.136 86.386,30.073 82.449,26.136 82.386,26.06 82.34,25.973 82.311,25.879 82.302,25.781 82.302,25.267 64.343,25.267 64.256,25.354 64.256,37.338 64.256,38.608 64.247,38.706 64.218,38.8 64.172,38.887 64.109,38.963 64.033,39.026 63.946,39.072 63.852,39.101 63.754,39.11 60.579,39.11 60.481,39.101 60.387,39.072 60.3,39.026 60.224,38.963 60.161,38.887 60.115,38.8 60.086,38.706 60.077,38.608 60.077,25.227 58.339,23.489 26.156,23.489 26.156,55.672 29.926,59.442 41.148,59.442 41.246,59.451 41.34,59.48 41.427,59.526 41.503,59.589 44.785,62.871 88.819,62.871
NetQ15_3 on VCC (split plane): 50.679,70.185 41.523,61.03 41.523,81.28 41.514,81.378 41.485,81.472 41.439,81.559 41.376,81.635 40.507,82.504 40.507,85.037 40.538,85.053 40.614,85.116 43.134,87.636 50.679,87.636
NetQ11_3 on VCC (split plane): 50.679,88.64 42.926,88.64 42.828,88.631 42.734,88.602 42.647,88.556 42.571,88.493 40.051,85.973 28.702,85.973 28.604,85.964 28.51,85.935 28.423,85.889 28.347,85.826 26.061,83.54 25.998,83.464 25.952,83.377 25.923,83.283 25.914,83.185 25.914,68.661 24.43,67.177 19.806,67.177 19.806,88.9 19.806,90.43 36.703,90.43 36.801,90.439 36.895,90.468 36.982,90.514 37.058,90.577 41.991,95.51 50.679,95.51
GND on VCC (split plane): 112.103,111.243 112.38,111.215 112.654,111.17 112.925,111.107 113.192,111.026 113.452,110.928 113.706,110.813 113.951,110.682 114.187,110.535 114.414,110.373 114.629,110.196 114.832,110.006 115.022,109.803 115.199,109.588 115.361,109.361 115.508,109.125 115.639,108.88 115.754,108.626 115.852,108.366 115.933,108.099 115.996,107.828 116.041,107.554 116.069,107.277 116.077,107.015 116.076,106.999 116.076,100.832 64.389,100.832 64.291,100.823 64.197,100.794 64.11,100.748 64.034,100.685 60.097,96.748 60.034,96.672 59.988,96.585 59.959,96.491 59.95,96.393 59.95,67.31 59.959,67.212 59.988,67.118 60.034,67.031 60.097,66.955 63.176,63.875 45.79,63.875 51.536,69.622 51.599,69.698 51.645,69.785 51.674,69.879 51.683,69.977 51.683,97.409 51.674,97.507 51.645,97.601 51.599,97.688 51.536,97.764 48.742,100.558 48.666,100.621 48.579,100.667 48.485,100.696 48.387,100.705 0.51,100.705 0.51,107.023 0.509,107.04 0.517,107.3 0.544,107.575 0.59,107.848 0.652,108.118 0.733,108.382 0.83,108.641 0.944,108.893 1.075,109.137 1.221,109.372 1.382,109.597 1.558,109.811 1.747,110.013 1.949,110.202 2.163,110.378 2.388,110.539 2.623,110.685 2.867,110.816 3.119,110.93 3.378,111.027 3.642,111.108 3.912,111.17 4.185,111.216 4.46,111.243 4.72,111.251 4.737,111.25 111.825,111.25 111.841,111.251
+5V on VCC (split plane): 63.252,37.338 63.252,25.146 63.261,25.048 63.29,24.954 63.336,24.867 63.399,24.791 63.78,24.41 63.856,24.347 63.943,24.301 64.037,24.272 64.135,24.263 66.935,24.263 66.935,3.683 66.935,0.51 57.398,0.51 57.398,21.128 58.637,22.366 58.645,22.367 58.739,22.396 58.826,22.442 58.902,22.505 58.965,22.581 59.011,22.668 59.04,22.762 59.041,22.77 60.934,24.664 60.997,24.74 61.043,24.827 61.072,24.921 61.081,25.019 61.081,38.106 63.252,38.106
+U1_24V on VCC (split plane): 116.076,4.761 116.077,4.745 116.069,4.483 116.041,4.206 115.996,3.932 115.933,3.661 115.852,3.394 115.754,3.134 115.639,2.88 115.508,2.635 115.361,2.399 115.199,2.172 115.022,1.957 114.832,1.754 114.629,1.564 114.414,1.387 114.187,1.225 113.951,1.078 113.706,0.947 113.452,0.832 113.192,0.734 112.925,0.653 112.654,0.59 112.38,0.545 112.103,0.517 111.841,0.509 111.825,0.51 83.306,0.51 83.306,21.977 116.076,21.977
3.3V_2 on VCC (split plane): 82.302,22.352 82.302,0.51 67.939,0.51 67.939,3.683 67.939,24.263 82.302,24.263
NetQ3_3 on VCC (split plane): 95.256,71.201 94.153,70.098 65.907,70.098 65.907,75.952 71.801,75.952 73.559,74.194 73.635,74.131 73.722,74.085 73.816,74.056 73.914,74.047 90.043,74.047 90.141,74.056 90.235,74.085 90.322,74.131 90.398,74.194 90.461,74.27 90.507,74.357 90.536,74.451 90.545,74.549 90.545,85.263 90.759,85.477 95.256,85.477
NetQ7_3 on VCC (split plane): 116.076,66.669 110.444,66.669 109.468,67.645 109.468,82.677 109.459,82.775 109.43,82.869 109.384,82.956 109.321,83.032 106.019,86.334 105.943,86.397 105.856,86.443 105.762,86.472 105.664,86.481 66.796,86.481 66.796,93.605 116.076,93.605
+U1_24V on VCC (split plane): 116.076,94.609 66.294,94.609 66.196,94.6 66.102,94.571 66.015,94.525 65.939,94.462 65.876,94.386 65.83,94.299 65.801,94.205 65.792,94.107 65.792,85.979 65.801,85.881 65.83,85.787 65.876,85.7 65.939,85.624 66.015,85.561 66.102,85.515 66.196,85.486 66.294,85.477 89.541,85.477 89.541,85.471 89.541,75.051 74.122,75.051 72.364,76.809 72.288,76.872 72.201,76.918 72.107,76.947 72.009,76.956 65.405,76.956 65.307,76.947 65.213,76.918 65.126,76.872 65.05,76.809 64.987,76.733 64.941,76.646 64.912,76.552 64.903,76.454 64.903,69.596 64.912,69.498 64.941,69.404 64.987,69.317 65.05,69.241 65.126,69.178 65.213,69.132 65.307,69.103 65.405,69.094 94.361,69.094 94.459,69.103 94.553,69.132 94.64,69.178 94.716,69.241 96.113,70.638 96.176,70.714 96.222,70.801 96.251,70.895 96.26,70.993 96.26,85.477 105.456,85.477 108.464,82.469 108.464,67.437 108.473,67.339 108.502,67.245 108.548,67.158 108.611,67.082 109.881,65.812 109.957,65.749 110.044,65.703 110.138,65.674 110.236,65.665 116.076,65.665 116.076,22.981 83.306,22.981 83.306,25.573 86.949,29.216 89.662,29.216 89.76,29.225 89.854,29.254 89.941,29.3 90.017,29.363 97.891,37.237 97.954,37.313 98,37.4 98.029,37.494 98.038,37.592 98.038,54.864 98.029,54.962 98,55.056 97.954,55.143 97.891,55.219 89.382,63.728 89.306,63.791 89.219,63.837 89.125,63.866 89.027,63.875 64.597,63.875 60.954,67.518 60.954,96.185 64.597,99.828 116.076,99.828

## Keep-outs
Keep-Out Layer:
  lines w0.254: 0,4.761 ccw(c4.761,4.761) 4.761,0 111.825,0 ccw(c111.825,4.761) 116.586,4.761 116.586,106.68 116.586,106.999 ccw(c111.825,106.999) 111.825,111.76 4.737,111.76 ccw(c4.737,107.023) 0,107.023 0,106.68 0,4.761
  lines w0.5: 22.098,103.759 22.098,107.315 ; 25.781,103.759 25.781,107.315 ; 29.718,103.759 29.718,107.315 ; 88.138,103.759 88.138,107.315 ; 91.61,103.759 91.61,107.315 ; 95.504,103.759 95.504,107.315

## Other copper
Component Side:
  pour cut-out: 55.626,56.642 53.467,58.801 53.467,62.357 53.467,63.03 53.467,63.881 54.102,64.516 63.246,64.516 63.881,63.881 63.881,58.801 61.849,56.769 61.849,56.642
GND (plane layer: these items are gaps in the copper):
  lines w1: 0,8.89 5.715,8.89 cw(c5.715,5.824) 7.883,7.992 8.119,7.756 cw(c5.951,5.588) 9.017,5.588 9.017,0.127 9.017,0.53 ccw(c8.15,0.53) 8.763,1.143 cw(c7.843,2.063) 7.843,0.762 4.221,0.762 cw(c4.221,3.828) 2.053,1.66 1.66,2.053 cw(c3.828,4.221) 0.762,4.221 0.762,7.493 ; 0,102.616 6.604,102.616 ccw(c6.604,105.682) 8.772,103.514 ccw(c6.648,105.638) 9.652,105.638 9.652,111.506 ; 0.127,26.797 14.986,26.797 16.129,27.94 32.766,27.94 35.687,25.019 35.687,15.875 36.83,14.732 50.419,14.732 53.086,17.399 53.086,95.885 66.04,95.885 66.04,32.512 71.247,27.305 85.09,27.305 107.442,27.305 109.347,25.4 109.347,14.605 103.886,9.144 103.886,5.461 103.632,5.207 87.249,5.207 84.709,7.747 84.709,15.875 79.883,20.701 69.596,20.701 64.643,15.748 64.643,0.127 ; 0.762,7.335 cw(c2.063,7.335) 1.143,8.255 ccw(c0.836,7.948) 0.836,8.382 5.124,8.382 cw(c5.124,6.648) 6.35,7.874 cw(c6.35,5.728) 7.868,7.245 cw(c6.932,6.31) 8.255,6.31 8.255,1.27 ccw(c7.948,0.963) 7.948,1.397 3.587,1.397 cw(c3.587,2.698) 2.667,1.778 ccw(c3.28,2.391) 3.28,1.524 3.683,1.524 ccw(c2.15,-0.009) 2.15,2.159 2.032,2.159 cw(c3.565,3.692) 1.397,3.692 1.397,7.62 ; 4.191,7.62 cw(c4.191,4.554) 6.359,6.722 ; 106.547,109.624 106.547,111.25 106.547,105.67 ccw(c109.613,105.67) 107.445,103.502 107.941,103.006 ccw(c110.109,105.174) 110.109,102.108 116.205,102.108 ; 107.188,0.127 107.188,5.969 cw(c110.254,5.969) 108.086,8.137 108.576,8.627 cw(c110.744,6.459) 110.744,9.525 116.586,9.525 ; 107.188,109.474 107.188,110.096 ccw(c107.074,110.096) 107.155,110.177 cw(c107.339,110.361) 107.078,110.361 107.078,110.998 cw(c107.078,110.583) 107.372,110.876 ccw(c108.305,111.809) 108.305,110.49 109.855,110.49 ; 110.871,4.191 108.675,6.387 ccw(c108.458,6.17) 108.458,6.477 cw(c108.151,6.17) 108.585,6.17 108.585,3.302 108.346,3.063 ccw(c108.997,2.413) 108.077,2.413 cw(c108.997,3.333) 107.696,3.333 107.696,5.334 cw(c110.762,5.334) 108.594,7.502 109.728,8.636 cw(c110.035,8.329) 110.035,8.763 113.157,8.763
  lines w2: 0.762,5.461 2.277,3.946 ccw(c4.445,6.114) 4.445,3.048 8.128,3.048 2.974,8.202 ccw(c2.54,7.769) 2.54,8.382 ; 0.762,7.493 0.889,7.62 4.191,7.62 ; 1.016,108.458 cw(c1.016,105.699) 2.967,107.65 5.969,104.648 ; 3.048,5.842 4.27,4.62 ccw(c4.693,5.044) 4.693,4.445 ccw(c4.693,3.571) 4.075,4.189 ccw(c3.15,3.264) 3.15,4.572 cw(c3.15,5.35) 2.6,4.8 3.727,4.8 cw(c3.727,1.734) 5.895,3.902 6.867,2.93 cw(c4.699,5.098) 4.699,2.032 3.937,2.032 cw(c7.003,2.032) 4.835,4.2 4.953,4.318 4.953,3.311 ccw(c7.121,3.311) 5.588,1.778 ccw(c4.668,0.858) 4.668,2.159 2.286,2.159 cw(c3.206,3.079) 1.905,3.079 1.905,6.223 5.151,2.977 ccw(c5.593,3.419) 5.593,2.794 cw(c5.593,-0.26) 7.753,1.899 7.753,4.058 ccw(c4.687,4.058) 6.855,6.226 6.359,6.722 ; 4.191,8.128 4.953,8.128 cw(c4.953,5.062) 7.121,7.23 7.874,6.477 ; 4.953,110.744 4.953,104.066 cw(c4.519,104.066) 4.826,103.759 cw(c4.826,104.066) 4.609,103.849 8.456,107.696 cw(c8.494,107.659) 8.494,107.711 ; 7.112,110.744 7.112,110.091 cw(c4.046,110.091) 6.214,107.923 1.787,103.496 cw(c3.955,105.664) 0.889,105.664 0.889,105.791 2.785,107.687 cw(c4.953,105.519) 4.953,108.585 7.747,108.585 ; 8.494,107.659 8.494,107.711 ; 8.763,107.061 ccw(c7.843,107.061) 8.494,107.711 ; 8.763,111.252 8.763,106.435 cw(c6.595,106.435) 8.128,104.902 7.629,104.403 cw(c5.461,106.571) 5.461,103.505 1.121,103.505 cw(c1.121,104.372) 0.508,103.759 0.508,106.172 cw(c3.574,106.172) 1.406,108.34 2.658,109.592 cw(c4.826,107.424) 4.826,110.49 7.44,110.49 cw(c7.44,110.056) 7.747,110.363 ccw(c8.667,109.443) 7.366,109.443 7.366,107.315 cw(c4.3,107.315) 6.468,105.147 cw(c5.877,105.738) 5.877,104.902 1.143,104.902 1.642,105.401 ccw(c-0.526,107.569) 2.54,107.569 2.54,108.204 2.658,108.322 cw(c4.826,106.154) 4.826,109.22 6.985,109.22 8.494,107.711 ; 107.188,108.077 107.188,106.172 ccw(c110.254,106.172) 108.086,104.004 108.195,103.895 ccw(c110.363,106.063) 110.363,102.997 115.084,102.997 ccw(c115.084,103.864) 115.697,103.251 115.697,107.442 ccw(c112.631,107.442) 114.799,109.61 114.69,109.719 ccw(c112.522,107.551) 112.522,110.617 108.34,110.617 ; 107.538,109.251 cw(c106.237,107.95) 108.077,107.95 108.077,107.188 ccw(c111.143,107.188) 108.975,105.02 ccw(c110.486,106.531) 110.486,104.394 112.947,104.394 ccw(c112.947,106.128) 114.173,104.902 114.501,104.574 cw(c114.068,104.14) 114.681,104.14 114.681,106.934 ccw(c111.615,106.934) 113.783,109.102 cw(c113.148,109.737) 113.148,108.839 108.257,108.839 cw(c108.257,109.273) 107.95,108.966 cw(c107.95,107.126) 109.251,108.427 113.284,104.394 113.284,107.135 cw(c113.718,107.135) 113.411,107.442 112.141,107.442 ccw(c112.141,104.376) 109.973,106.544 108.712,105.283 ; 108.331,1.988 cw(c106.597,1.988) 107.823,0.762 cw(c108.743,-0.158) 108.743,1.143 111.887,1.143 ccw(c111.887,4.209) 114.055,2.041 114.545,2.531 ccw(c112.377,4.699) 115.443,4.699 115.443,8.785 ; 108.966,103.886 cw(c109.579,103.886) 109.146,104.32 111.825,106.999 ; 110.109,2.032 110.109,3.048 cw(c113.175,3.048) 111.007,5.216 113.411,7.62 113.411,5.334 cw(c110.345,5.334) 112.513,3.166 111.252,1.905 115.443,6.096 ; 111.37,8.5 109.22,6.35 111.125,6.35 ccw(c111.125,9.416) 113.293,7.248 114.3,8.255 113.494,8.255 ccw(c113.494,6.521) 112.268,7.747 110.372,5.851 ccw(c112.54,3.683) 109.474,3.683 109.474,1.651 114.031,6.208 cw(c114.681,5.557) 114.681,6.477 112.023,3.819 ccw(c114.191,1.651) 111.125,1.651 111.125,0.889 cw(c112.965,-0.951) 112.965,1.651 113.792,1.651
VCC (plane layer: these items are gaps in the copper):
  lines w1: 0,22.987 25.654,22.987 25.654,55.88 29.718,59.944 41.148,59.944 51.181,69.977 51.181,97.409 48.387,100.203 0.127,100.203 0,100.33 ; 19.304,86.741 19.304,90.932 36.703,90.932 41.783,96.012 51.181,96.012 ; 19.304,88.9 19.304,66.802 19.431,66.675 24.638,66.675 26.416,68.453 26.416,83.185 28.702,85.471 40.259,85.471 42.926,88.138 43.053,88.138 51.181,88.138 ; 24.257,22.987 58.42,22.987 58.547,22.86 ; 40.005,85.471 40.005,82.296 41.021,81.28 41.021,60.325 ; 44.577,63.373 64.897,63.373 ; 56.896,0 56.896,21.336 60.579,25.019 60.579,38.608 63.754,38.608 63.754,37.338 63.754,25.146 64.135,24.765 67.437,24.765 67.437,3.683 67.437,0.127 ; 66.802,24.765 80.01,24.765 82.804,24.765 ; 82.804,0.127 82.804,22.352 82.804,25.781 86.741,29.718 89.662,29.718 97.536,37.592 97.536,54.864 89.027,63.373 64.389,63.373 60.452,67.31 60.452,96.393 64.389,100.33 116.586,100.33 ; 82.931,22.479 116.459,22.479 116.586,22.352 116.586,18.542 ; 90.551,85.979 90.043,85.471 90.043,74.549 73.914,74.549 72.009,76.454 65.405,76.454 65.405,69.596 94.361,69.596 95.758,70.993 95.758,85.852 ; 116.459,66.167 110.236,66.167 108.966,67.437 108.966,82.677 105.664,85.979 66.294,85.979 66.294,94.107 116.586,94.107 116.586,93.599

## Silkscreen, mask and mechanical layers (free items; w line width, h text height)
Top Overlay:
  text "Y    Z     B    A    CL  CH" at 54.356,108.712 h1.52
  text "MOTOR2" at 34.036,105.283 h1.52
  text "MOTOR1" at 99.441,105.156 h1.52
  text "BMB1 BMB2 BMA1 BMA2" at 17.78,99.822 h1.52
  text "BMB1 BMB2 BMA1 BMA2" at 83.609,99.822 h1.52
  text "MCU_LED" at 50.419,59.182 h1
  text "ENCOR1" at 103.632,26.035 h1.52
  text "ENCOR2" at 7.62,25.908 h1.52
  text "CG1" at 86.995,4.318 h1.52
  text "CG2" at 25.781,3.81 h1.52
  text "24V_1  GND" at 96.647,1.143 h1.52
  text "24V_2  GND" at 15.621,0.889 h1.52
Top Solder:
  lines w1: 9.525,88.392 10.033,88.392 16.764,95.123 ; 9.779,68.326 10.16,68.326 16.51,74.676 16.51,75.311 ; 20.574,97.917 24.031,101.374 24.031,105.537 ; 23.622,69.977 24.511,70.866 24.511,88.138 ; 30.734,105.537 38.227,105.537 40.894,102.87 40.894,96.393 ; 32.004,88.392 32.639,88.392 39.243,94.996 ; 32.131,68.453 32.893,68.453 39.624,75.184 39.878,75.184 ; 45.085,69.088 46.99,70.993 46.99,86.868 ; 56.769,77.597 56.769,82.804 ; 62.738,77.724 62.738,82.931 ; 78.867,68.326 85.217,74.676 85.598,74.676 ; 78.867,88.773 79.883,88.773 85.471,94.361 85.471,94.615 ; 89.281,98.044 89.86,98.623 89.86,105.537 ; 91.313,68.834 92.837,70.358 92.837,87.884 ; 96.86,105.537 99.187,105.537 107.823,96.901 108.458,96.901 ; 100.711,88.138 101.219,88.138 107.188,94.107 108.331,94.107 ; 100.838,68.834 101.727,68.834 107.188,74.295 107.188,74.549 ; 113.665,68.58 115.189,70.104 115.189,88.646
  lines w1.5: 38.227,8.509 38.481,8.509 44.704,2.286 85.852,2.286 88.265,4.699 88.265,6.35
  lines w2: 59.563,71.12 59.563,94.488
Solder Side:
  lines w1: 19.982,79.248 20.066,105.537 ; 27.559,105.791 27.559,102.362 29.337,100.584 39.243,100.584 42.799,97.028 42.799,78.867 ; 86.36,105.537 86.106,105.283 86.106,89.408 89.408,86.106 89.408,78.613 ; 93.36,105.537 93.726,105.171 93.726,90.932 96.266,88.392 105.283,88.392 111.252,82.423 111.252,78.486